# KiCad board ayla80.kicad_pcb
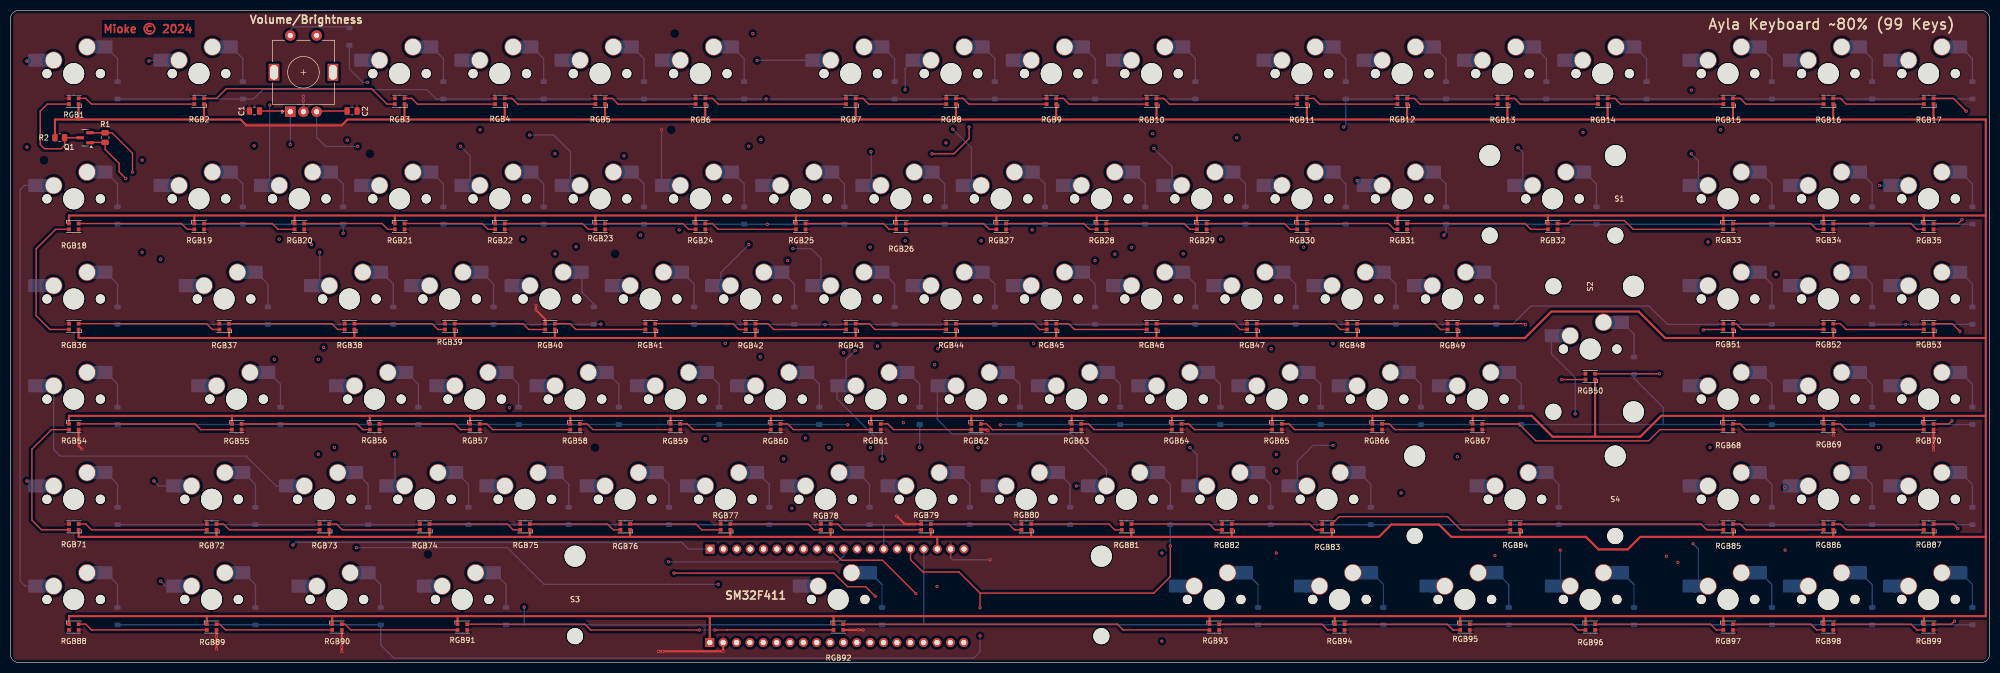
[diagram p0: board, top side]
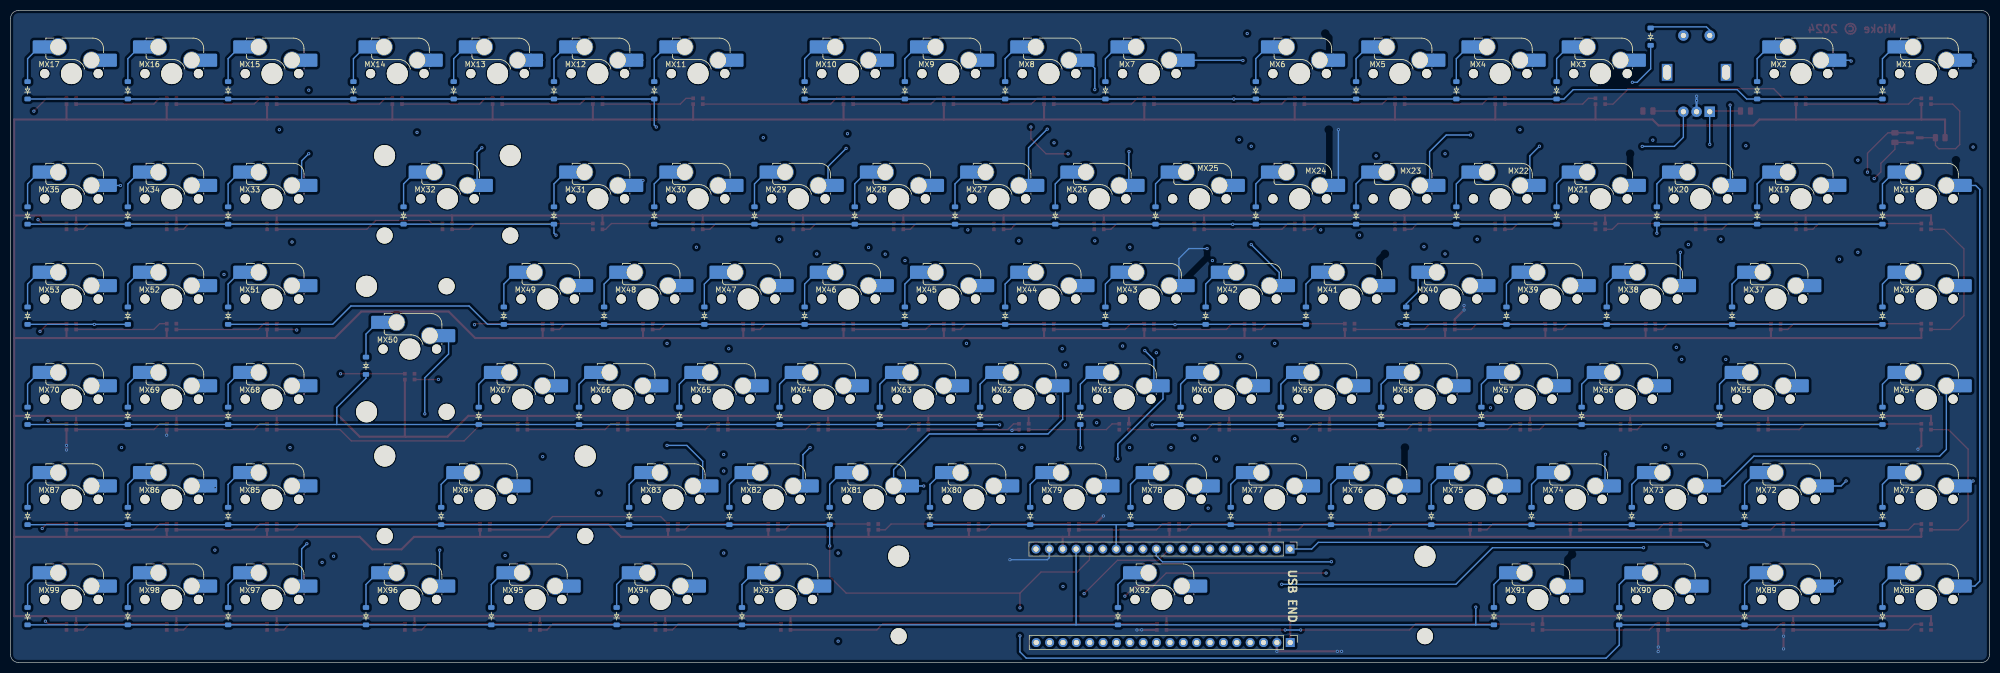
[diagram p1: board, bottom side, seen from below]

Outline 376 x 124 mm; copper layers: Top, In1.Cu, In2.Cu, Bottom. Coordinates in mm from the lower left corner of the outline.
Outline path: 0,122.5 0,1.5 arc(0.44,0.44) 1.5,0 374.5,0 arc(375.56,0.44) 376,1.5 376,122.5 arc(375.56,123.56) 374.5,124 1.5,124 arc(0.44,123.56) 0,122.5
Stack: Top 0.035mm / dielectric 0.1mm FR4 er 4.5 / In1.Cu 0.035mm / dielectric 1.24mm FR4 er 4.5 / In2.Cu 0.035mm / dielectric 0.1mm FR4 er 4.5 / Bottom 0.035mm

## Placement (name value [footprint] x y rotation side)
C1  10n  [C_0805_2012Metric]  46.36 104.89 180 top
C2  10n  [C_0805_2012Metric]  64.9 104.89 0 top
D1  4148  [Diode_SOD-123]  20.33 108.83 90 bottom
D2  4148  [Diode_SOD-123]  44.15 108.83 90 bottom
D3  4148  [Diode_SOD-123]  82.25 108.83 90 bottom
D4  4148  [Diode_SOD-123]  101.3 108.83 90 bottom
D5  4148  [Diode_SOD-123]  120.35 108.83 90 bottom
D6  4148  [Diode_SOD-123]  139.4 108.83 90 bottom
D7  4148  [Diode_SOD-123]  167.97 108.83 90 bottom
D8  4148  [Diode_SOD-123]  187.02 108.83 90 bottom
D9  4148  [Diode_SOD-123]  206.07 108.83 90 bottom
D10  4148  [Diode_SOD-123]  225.12 108.83 90 bottom
D11  4148  [Diode_SOD-123]  253.7 108.83 90 bottom
D12  4148  [Diode_SOD-123]  272.75 108.83 90 bottom
D13  4148  [Diode_SOD-123]  291.8 108.83 90 bottom
D14  4148  [Diode_SOD-123]  310.85 108.83 90 bottom
D15  4148  [Diode_SOD-123]  334.66 108.83 90 bottom
D16  4148  [Diode_SOD-123]  353.71 108.83 90 bottom
D17  4148  [Diode_SOD-123]  372.76 108.83 90 bottom
D18  4148  [Diode_SOD-123]  20.33 85.01 90 bottom
D19  4148  [Diode_SOD-123]  44.15 85.01 90 bottom
D20  4148  [Diode_SOD-123]  63.2 85.01 90 bottom
D21  4148  [Diode_SOD-123]  82.25 85.01 90 bottom
D22  4148  [Diode_SOD-123]  101.3 85.01 90 bottom
D23  4148  [Diode_SOD-123]  120.35 85.01 90 bottom
D24  4148  [Diode_SOD-123]  139.4 85.01 90 bottom
D25  4148  [Diode_SOD-123]  158.45 85.01 90 bottom
D26  4148  [Diode_SOD-123]  177.5 85.01 90 bottom
D27  4148  [Diode_SOD-123]  196.55 85.01 90 bottom
D28  4148  [Diode_SOD-123]  215.6 85.01 90 bottom
D29  4148  [Diode_SOD-123]  234.65 85.01 90 bottom
D30  4148  [Diode_SOD-123]  253.7 85.01 90 bottom
D31  4148  [Diode_SOD-123]  272.75 85.01 90 bottom
D32  4148  [Diode_SOD-123]  301.32 85.01 90 bottom
D33  4148  [Diode_SOD-123]  334.66 85.01 90 bottom
D34  4148  [Diode_SOD-123]  353.71 85.01 90 bottom
D35  4148  [Diode_SOD-123]  372.76 85.01 90 bottom
D36  4148  [Diode_SOD-123]  20.33 65.96 90 bottom
D37  4148  [Diode_SOD-123]  48.91 65.96 90 bottom
D38  4148  [Diode_SOD-123]  72.72 65.96 90 bottom
D39  4148  [Diode_SOD-123]  91.77 65.96 90 bottom
D40  4148  [Diode_SOD-123]  110.82 65.96 90 bottom
D41  4148  [Diode_SOD-123]  129.87 65.96 90 bottom
D42  4148  [Diode_SOD-123]  148.92 65.96 90 bottom
D43  4148  [Diode_SOD-123]  167.97 65.96 90 bottom
D44  4148  [Diode_SOD-123]  187.02 65.96 90 bottom
D45  4148  [Diode_SOD-123]  206.07 65.96 90 bottom
D46  4148  [Diode_SOD-123]  225.12 65.96 90 bottom
D47  4148  [Diode_SOD-123]  244.17 65.96 90 bottom
D48  4148  [Diode_SOD-123]  263.22 65.96 90 bottom
D49  4148  [Diode_SOD-123]  282.27 65.96 90 bottom
D50  4148  [Diode_SOD-123]  308.47 56.44 90 bottom
D51  4148  [Diode_SOD-123]  334.66 65.96 90 bottom
D52  4148  [Diode_SOD-123]  353.71 65.96 90 bottom
D53  4148  [Diode_SOD-123]  372.76 65.96 90 bottom
D54  4148  [Diode_SOD-123]  20.33 46.91 90 bottom
D55  4148  [Diode_SOD-123]  51.29 46.91 90 bottom
D56  4148  [Diode_SOD-123]  77.48 46.91 90 bottom
D57  4148  [Diode_SOD-123]  96.53 46.91 90 bottom
D58  4148  [Diode_SOD-123]  115.58 46.91 90 bottom
D59  4148  [Diode_SOD-123]  134.63 46.91 90 bottom
D60  4148  [Diode_SOD-123]  153.68 46.91 90 bottom
D61  4148  [Diode_SOD-123]  172.73 46.91 90 bottom
D62  4148  [Diode_SOD-123]  191.78 46.91 90 bottom
D63  4148  [Diode_SOD-123]  210.83 46.91 90 bottom
D64  4148  [Diode_SOD-123]  229.88 46.91 90 bottom
D65  4148  [Diode_SOD-123]  248.93 46.91 90 bottom
D66  4148  [Diode_SOD-123]  267.98 46.91 90 bottom
D67  4148  [Diode_SOD-123]  287.03 46.91 90 bottom
D68  4148  [Diode_SOD-123]  334.66 46.91 90 bottom
D69  4148  [Diode_SOD-123]  353.71 46.91 90 bottom
D70  4148  [Diode_SOD-123]  372.76 46.91 90 bottom
D71  4148  [Diode_SOD-123]  20.33 27.86 90 bottom
D72  4148  [Diode_SOD-123]  46.53 27.86 90 bottom
D73  4148  [Diode_SOD-123]  67.96 27.86 90 bottom
D74  4148  [Diode_SOD-123]  87.01 27.86 90 bottom
D75  4148  [Diode_SOD-123]  106.06 27.86 90 bottom
D76  4148  [Diode_SOD-123]  125.11 27.86 90 bottom
D77  4148  [Diode_SOD-123]  144.16 27.86 90 bottom
D78  4148  [Diode_SOD-123]  163.21 27.86 90 bottom
D79  4148  [Diode_SOD-123]  182.26 27.86 90 bottom
D80  4148  [Diode_SOD-123]  201.31 27.86 90 bottom
D81  4148  [Diode_SOD-123]  220.36 27.86 90 bottom
D82  4148  [Diode_SOD-123]  239.41 27.86 90 bottom
D83  4148  [Diode_SOD-123]  258.46 27.86 90 bottom
D84  4148  [Diode_SOD-123]  294.18 27.86 90 bottom
D85  4148  [Diode_SOD-123]  334.66 27.86 90 bottom
D86  4148  [Diode_SOD-123]  353.71 27.86 90 bottom
D87  4148  [Diode_SOD-123]  372.76 27.86 90 bottom
D88  4148  [Diode_SOD-123]  20.33 8.81 90 bottom
D89  4148  [Diode_SOD-123]  46.53 8.81 90 bottom
D90  4148  [Diode_SOD-123]  70.34 8.81 90 bottom
D91  4148  [Diode_SOD-123]  94.15 8.81 90 bottom
D92  4148  [Diode_SOD-123]  165.59 8.81 90 bottom
D93  4148  [Diode_SOD-123]  237.03 8.81 90 bottom
D94  4148  [Diode_SOD-123]  260.84 8.81 90 bottom
D95  4148  [Diode_SOD-123]  284.65 8.81 90 bottom
D96  4148  [Diode_SOD-123]  308.47 8.81 90 bottom
D97  4148  [Diode_SOD-123]  334.66 8.81 90 bottom
D98  4148  [Diode_SOD-123]  353.71 8.81 90 bottom
D99  4148  [Diode_SOD-123]  372.76 8.81 90 bottom
D100  4148  [Diode_SOD-123]  64.37 119.04 90 bottom
J1  Conn_01x20  [PinHeader_1x20_P2.54mm_Vertical]  132.9 21.58 270 bottom
J2  Conn_01x20  [PinHeader_1x20_P2.54mm_Vertical]  132.85 3.8 270 bottom
MX1  MX_SW_HS  [SW_MX_HS_CPG151101S11_1u]  12 112 180 bottom
MX2  MX_SW_HS  [SW_MX_HS_CPG151101S11_1u]  35.81 112 180 bottom
MX3  MX_SW_HS  [SW_MX_HS_CPG151101S11_1u]  73.91 112 180 bottom
MX4  MX_SW_HS  [SW_MX_HS_CPG151101S11_1u]  92.96 112 180 bottom
MX5  MX_SW_HS  [SW_MX_HS_CPG151101S11_1u]  112.01 112 180 bottom
MX6  MX_SW_HS  [SW_MX_HS_CPG151101S11_1u]  131.06 112 180 bottom
MX7  MX_SW_HS  [SW_MX_HS_CPG151101S11_1u]  159.64 112 180 bottom
MX8  MX_SW_HS  [SW_MX_HS_CPG151101S11_1u]  178.69 112 180 bottom
MX9  MX_SW_HS  [SW_MX_HS_CPG151101S11_1u]  197.74 112 180 bottom
MX10  MX_SW_HS  [SW_MX_HS_CPG151101S11_1u]  216.79 112 180 bottom
MX11  MX_SW_HS  [SW_MX_HS_CPG151101S11_1u]  245.36 112 180 bottom
MX12  MX_SW_HS  [SW_MX_HS_CPG151101S11_1u]  264.41 112 180 bottom
MX13  MX_SW_HS  [SW_MX_HS_CPG151101S11_1u]  283.46 112 180 bottom
MX14  MX_SW_HS  [SW_MX_HS_CPG151101S11_1u]  302.51 112 180 bottom
MX15  MX_SW_HS  [SW_MX_HS_CPG151101S11_1u]  326.32 112 180 bottom
MX16  MX_SW_HS  [SW_MX_HS_CPG151101S11_1u]  345.38 112 180 bottom
MX17  MX_SW_HS  [SW_MX_HS_CPG151101S11_1u]  364.43 112 180 bottom
MX18  MX_SW_HS  [SW_MX_HS_CPG151101S11_1u]  12 88.19 180 bottom
MX19  MX_SW_HS  [SW_MX_HS_CPG151101S11_1u]  35.81 88.19 180 bottom
MX20  MX_SW_HS  [SW_MX_HS_CPG151101S11_1u]  54.86 88.19 180 bottom
MX21  MX_SW_HS  [SW_MX_HS_CPG151101S11_1u]  73.91 88.19 180 bottom
MX22  MX_SW_HS  [SW_MX_HS_CPG151101S11_1u]  92.96 88.19 180 bottom
MX23  MX_SW_HS  [SW_MX_HS_CPG151101S11_1u]  112.01 88.19 180 bottom
MX24  MX_SW_HS  [SW_MX_HS_CPG151101S11_1u]  131.06 88.19 180 bottom
MX25  MX_SW_HS  [SW_MX_HS_CPG151101S11_1u]  150.11 88.19 180 bottom
MX26  MX_SW_HS  [SW_MX_HS_CPG151101S11_1u]  169.16 88.19 180 bottom
MX27  MX_SW_HS  [SW_MX_HS_CPG151101S11_1u]  188.21 88.19 180 bottom
MX28  MX_SW_HS  [SW_MX_HS_CPG151101S11_1u]  207.26 88.19 180 bottom
MX29  MX_SW_HS  [SW_MX_HS_CPG151101S11_1u]  226.31 88.19 180 bottom
MX30  MX_SW_HS  [SW_MX_HS_CPG151101S11_1u]  245.36 88.19 180 bottom
MX31  MX_SW_HS  [SW_MX_HS_CPG151101S11_1u]  264.41 88.19 180 bottom
MX32  MX_SW_HS  [SW_MX_HS_CPG151101S11_1u]  292.99 88.19 180 bottom
MX33  MX_SW_HS  [SW_MX_HS_CPG151101S11_1u]  326.32 88.19 180 bottom
MX34  MX_SW_HS  [SW_MX_HS_CPG151101S11_1u]  345.38 88.19 180 bottom
MX35  MX_SW_HS  [SW_MX_HS_CPG151101S11_1u]  364.43 88.19 180 bottom
MX36  MX_SW_HS  [SW_MX_HS_CPG151101S11_1u]  12 69.14 180 bottom
MX37  MX_SW_HS  [SW_MX_HS_CPG151101S11_1u]  40.58 69.14 180 bottom
MX38  MX_SW_HS  [SW_MX_HS_CPG151101S11_1u]  64.39 69.14 180 bottom
MX39  MX_SW_HS  [SW_MX_HS_CPG151101S11_1u]  83.44 69.14 180 bottom
MX40  MX_SW_HS  [SW_MX_HS_CPG151101S11_1u]  102.49 69.14 180 bottom
MX41  MX_SW_HS  [SW_MX_HS_CPG151101S11_1u]  121.54 69.14 180 bottom
MX42  MX_SW_HS  [SW_MX_HS_CPG151101S11_1u]  140.59 69.14 180 bottom
MX43  MX_SW_HS  [SW_MX_HS_CPG151101S11_1u]  159.64 69.14 180 bottom
MX44  MX_SW_HS  [SW_MX_HS_CPG151101S11_1u]  178.69 69.14 180 bottom
MX45  MX_SW_HS  [SW_MX_HS_CPG151101S11_1u]  197.74 69.14 180 bottom
MX46  MX_SW_HS  [SW_MX_HS_CPG151101S11_1u]  216.79 69.14 180 bottom
MX47  MX_SW_HS  [SW_MX_HS_CPG151101S11_1u]  235.84 69.14 180 bottom
MX48  MX_SW_HS  [SW_MX_HS_CPG151101S11_1u]  254.89 69.14 180 bottom
MX49  MX_SW_HS  [SW_MX_HS_CPG151101S11_1u]  273.94 69.14 180 bottom
MX50  MX_SW_HS  [SW_MX_HS_CPG151101S11_1u]  300.13 59.61 180 bottom
MX51  MX_SW_HS  [SW_MX_HS_CPG151101S11_1u]  326.32 69.14 180 bottom
MX52  MX_SW_HS  [SW_MX_HS_CPG151101S11_1u]  345.38 69.14 180 bottom
MX53  MX_SW_HS  [SW_MX_HS_CPG151101S11_1u]  364.43 69.14 180 bottom
MX54  MX_SW_HS  [SW_MX_HS_CPG151101S11_1u]  12 50.09 180 bottom
MX55  MX_SW_HS  [SW_MX_HS_CPG151101S11_1u]  42.96 50.09 180 bottom
MX56  MX_SW_HS  [SW_MX_HS_CPG151101S11_1u]  69.15 50.09 180 bottom
MX57  MX_SW_HS  [SW_MX_HS_CPG151101S11_1u]  88.2 50.09 180 bottom
MX58  MX_SW_HS  [SW_MX_HS_CPG151101S11_1u]  107.25 50.09 180 bottom
MX59  MX_SW_HS  [SW_MX_HS_CPG151101S11_1u]  126.3 50.09 180 bottom
MX60  MX_SW_HS  [SW_MX_HS_CPG151101S11_1u]  145.35 50.09 180 bottom
MX61  MX_SW_HS  [SW_MX_HS_CPG151101S11_1u]  164.4 50.09 180 bottom
MX62  MX_SW_HS  [SW_MX_HS_CPG151101S11_1u]  183.45 50.09 180 bottom
MX63  MX_SW_HS  [SW_MX_HS_CPG151101S11_1u]  202.5 50.09 180 bottom
MX64  MX_SW_HS  [SW_MX_HS_CPG151101S11_1u]  221.55 50.09 180 bottom
MX65  MX_SW_HS  [SW_MX_HS_CPG151101S11_1u]  240.6 50.09 180 bottom
MX66  MX_SW_HS  [SW_MX_HS_CPG151101S11_1u]  259.65 50.09 180 bottom
MX67  MX_SW_HS  [SW_MX_HS_CPG151101S11_1u]  278.7 50.09 180 bottom
MX68  MX_SW_HS  [SW_MX_HS_CPG151101S11_1u]  326.32 50.09 180 bottom
MX69  MX_SW_HS  [SW_MX_HS_CPG151101S11_1u]  345.38 50.09 180 bottom
MX70  MX_SW_HS  [SW_MX_HS_CPG151101S11_1u]  364.43 50.09 180 bottom
MX71  MX_SW_HS  [SW_MX_HS_CPG151101S11_1u]  12 31.04 180 bottom
MX72  MX_SW_HS  [SW_MX_HS_CPG151101S11_1u]  38.19 31.04 180 bottom
MX73  MX_SW_HS  [SW_MX_HS_CPG151101S11_1u]  59.62 31.04 180 bottom
MX74  MX_SW_HS  [SW_MX_HS_CPG151101S11_1u]  78.67 31.04 180 bottom
MX75  MX_SW_HS  [SW_MX_HS_CPG151101S11_1u]  97.72 31.04 180 bottom
MX76  MX_SW_HS  [SW_MX_HS_CPG151101S11_1u]  116.78 31.04 180 bottom
MX77  MX_SW_HS  [SW_MX_HS_CPG151101S11_1u]  135.82 31.04 180 bottom
MX78  MX_SW_HS  [SW_MX_HS_CPG151101S11_1u]  154.88 31.04 180 bottom
MX79  MX_SW_HS  [SW_MX_HS_CPG151101S11_1u]  173.93 31.04 180 bottom
MX80  MX_SW_HS  [SW_MX_HS_CPG151101S11_1u]  192.97 31.04 180 bottom
MX81  MX_SW_HS  [SW_MX_HS_CPG151101S11_1u]  212.03 31.04 180 bottom
MX82  MX_SW_HS  [SW_MX_HS_CPG151101S11_1u]  231.07 31.04 180 bottom
MX83  MX_SW_HS  [SW_MX_HS_CPG151101S11_1u]  250.12 31.04 180 bottom
MX84  MX_SW_HS  [SW_MX_HS_CPG151101S11_1u]  285.84 31.04 180 bottom
MX85  MX_SW_HS  [SW_MX_HS_CPG151101S11_1u]  326.32 31.04 180 bottom
MX86  MX_SW_HS  [SW_MX_HS_CPG151101S11_1u]  345.38 31.04 180 bottom
MX87  MX_SW_HS  [SW_MX_HS_CPG151101S11_1u]  364.43 31.04 180 bottom
MX88  MX_SW_HS  [SW_MX_HS_CPG151101S11_1u]  12 11.99 180 bottom
MX89  MX_SW_HS  [SW_MX_HS_CPG151101S11_1u]  38.19 11.99 180 bottom
MX90  MX_SW_HS  [SW_MX_HS_CPG151101S11_1u]  62.01 11.99 180 bottom
MX91  MX_SW_HS  [SW_MX_HS_CPG151101S11_1u]  85.82 11.99 180 bottom
MX92  MX_SW_HS  [SW_MX_HS_CPG151101S11_1u]  157.26 11.99 180 bottom
MX93  MX_SW_HS  [SW_MX_HS_CPG151101S11_1u]  228.69 11.99 180 bottom
MX94  MX_SW_HS  [SW_MX_HS_CPG151101S11_1u]  252.51 11.99 180 bottom
MX95  MX_SW_HS  [SW_MX_HS_CPG151101S11_1u]  276.32 11.99 180 bottom
MX96  MX_SW_HS  [SW_MX_HS_CPG151101S11_1u]  300.13 11.99 180 bottom
MX97  MX_SW_HS  [SW_MX_HS_CPG151101S11_1u]  326.32 11.99 180 bottom
MX98  MX_SW_HS  [SW_MX_HS_CPG151101S11_1u]  345.38 11.99 180 bottom
MX99  MX_SW_HS  [SW_MX_HS_CPG151101S11_1u]  364.43 11.99 180 bottom
Q1  BSS138  [SOT-23]  14.17 99.8 180 top
R1  10k  [R_0805_2012Metric]  17.97 99.83 90 top
R2  10k  [R_0805_2012Metric]  9.36 99.81 0 top
RGB1  WS2812B  [LED_WS2812B-2020_PLCC4_2.0x2.0mm]  12.02 106.75 180 top
RGB2  WS2812B  [LED_WS2812B-2020_PLCC4_2.0x2.0mm]  35.84 106.75 180 top
RGB3  WS2812B  [LED_WS2812B-2020_PLCC4_2.0x2.0mm]  73.94 106.75 180 top
RGB4  WS2812B  [LED_WS2812B-2020_PLCC4_2.0x2.0mm]  92.99 106.75 180 top
RGB5  WS2812B  [LED_WS2812B-2020_PLCC4_2.0x2.0mm]  112.04 106.75 180 top
RGB6  WS2812B  [LED_WS2812B-2020_PLCC4_2.0x2.0mm]  131.09 106.75 180 top
RGB7  WS2812B  [LED_WS2812B-2020_PLCC4_2.0x2.0mm]  159.66 106.75 180 top
RGB8  WS2812B  [LED_WS2812B-2020_PLCC4_2.0x2.0mm]  178.71 106.75 180 top
RGB9  WS2812B  [LED_WS2812B-2020_PLCC4_2.0x2.0mm]  197.76 106.75 180 top
RGB10  WS2812B  [LED_WS2812B-2020_PLCC4_2.0x2.0mm]  216.81 106.75 180 top
RGB11  WS2812B  [LED_WS2812B-2020_PLCC4_2.0x2.0mm]  245.39 106.75 180 top
RGB12  WS2812B  [LED_WS2812B-2020_PLCC4_2.0x2.0mm]  264.44 106.75 180 top
RGB13  WS2812B  [LED_WS2812B-2020_PLCC4_2.0x2.0mm]  283.49 106.75 180 top
RGB14  WS2812B  [LED_WS2812B-2020_PLCC4_2.0x2.0mm]  302.54 106.75 180 top
RGB15  WS2812B  [LED_WS2812B-2020_PLCC4_2.0x2.0mm]  326.35 106.75 180 top
RGB16  WS2812B  [LED_WS2812B-2020_PLCC4_2.0x2.0mm]  345.4 106.75 180 top
RGB17  WS2812B  [LED_WS2812B-2020_PLCC4_2.0x2.0mm]  364.45 106.75 180 top
RGB18  WS2812B  [LED_WS2812B-2020_PLCC4_2.0x2.0mm]  12.02 82.94 0 top
RGB19  WS2812B  [LED_WS2812B-2020_PLCC4_2.0x2.0mm]  35.84 82.94 0 top
RGB20  WS2812B  [LED_WS2812B-2020_PLCC4_2.0x2.0mm]  54.89 82.94 0 top
RGB21  WS2812B  [LED_WS2812B-2020_PLCC4_2.0x2.0mm]  73.94 82.94 0 top
RGB22  WS2812B  [LED_WS2812B-2020_PLCC4_2.0x2.0mm]  92.99 82.94 0 top
RGB23  WS2812B  [LED_WS2812B-2020_PLCC4_2.0x2.0mm]  112.04 82.94 0 top
RGB24  WS2812B  [LED_WS2812B-2020_PLCC4_2.0x2.0mm]  131.09 82.94 0 top
RGB25  WS2812B  [LED_WS2812B-2020_PLCC4_2.0x2.0mm]  150.14 82.94 0 top
RGB26  WS2812B  [LED_WS2812B-2020_PLCC4_2.0x2.0mm]  169.19 82.94 0 top
RGB27  WS2812B  [LED_WS2812B-2020_PLCC4_2.0x2.0mm]  188.24 82.94 0 top
RGB28  WS2812B  [LED_WS2812B-2020_PLCC4_2.0x2.0mm]  207.29 82.94 0 top
RGB29  WS2812B  [LED_WS2812B-2020_PLCC4_2.0x2.0mm]  226.34 82.94 0 top
RGB30  WS2812B  [LED_WS2812B-2020_PLCC4_2.0x2.0mm]  245.39 82.94 0 top
RGB31  WS2812B  [LED_WS2812B-2020_PLCC4_2.0x2.0mm]  264.44 82.94 0 top
RGB32  WS2812B  [LED_WS2812B-2020_PLCC4_2.0x2.0mm]  293.01 82.94 0 top
RGB33  WS2812B  [LED_WS2812B-2020_PLCC4_2.0x2.0mm]  326.35 82.94 0 top
RGB34  WS2812B  [LED_WS2812B-2020_PLCC4_2.0x2.0mm]  345.4 82.94 0 top
RGB35  WS2812B  [LED_WS2812B-2020_PLCC4_2.0x2.0mm]  364.45 82.94 0 top
RGB36  WS2812B  [LED_WS2812B-2020_PLCC4_2.0x2.0mm]  12.02 63.89 180 top
RGB37  WS2812B  [LED_WS2812B-2020_PLCC4_2.0x2.0mm]  40.6 63.89 180 top
RGB38  WS2812B  [LED_WS2812B-2020_PLCC4_2.0x2.0mm]  64.41 63.89 180 top
RGB39  WS2812B  [LED_WS2812B-2020_PLCC4_2.0x2.0mm]  83.46 63.89 180 top
RGB40  WS2812B  [LED_WS2812B-2020_PLCC4_2.0x2.0mm]  102.51 63.89 180 top
RGB41  WS2812B  [LED_WS2812B-2020_PLCC4_2.0x2.0mm]  121.56 63.89 180 top
RGB42  WS2812B  [LED_WS2812B-2020_PLCC4_2.0x2.0mm]  140.61 63.89 180 top
RGB43  WS2812B  [LED_WS2812B-2020_PLCC4_2.0x2.0mm]  159.66 63.89 180 top
RGB44  WS2812B  [LED_WS2812B-2020_PLCC4_2.0x2.0mm]  178.71 63.89 180 top
RGB45  WS2812B  [LED_WS2812B-2020_PLCC4_2.0x2.0mm]  197.76 63.89 180 top
RGB46  WS2812B  [LED_WS2812B-2020_PLCC4_2.0x2.0mm]  216.81 63.89 180 top
RGB47  WS2812B  [LED_WS2812B-2020_PLCC4_2.0x2.0mm]  235.86 63.89 180 top
RGB48  WS2812B  [LED_WS2812B-2020_PLCC4_2.0x2.0mm]  254.91 63.89 180 top
RGB49  WS2812B  [LED_WS2812B-2020_PLCC4_2.0x2.0mm]  273.96 63.89 180 top
RGB50  WS2812B  [LED_WS2812B-2020_PLCC4_2.0x2.0mm]  300.16 54.36 180 top
RGB51  WS2812B  [LED_WS2812B-2020_PLCC4_2.0x2.0mm]  326.35 63.89 180 top
RGB52  WS2812B  [LED_WS2812B-2020_PLCC4_2.0x2.0mm]  345.4 63.89 180 top
RGB53  WS2812B  [LED_WS2812B-2020_PLCC4_2.0x2.0mm]  364.45 63.89 180 top
RGB54  WS2812B  [LED_WS2812B-2020_PLCC4_2.0x2.0mm]  12.02 44.84 0 top
RGB55  WS2812B  [LED_WS2812B-2020_PLCC4_2.0x2.0mm]  42.98 44.84 0 top
RGB56  WS2812B  [LED_WS2812B-2020_PLCC4_2.0x2.0mm]  69.17 44.84 0 top
RGB57  WS2812B  [LED_WS2812B-2020_PLCC4_2.0x2.0mm]  88.22 44.84 0 top
RGB58  WS2812B  [LED_WS2812B-2020_PLCC4_2.0x2.0mm]  107.28 44.84 0 top
RGB59  WS2812B  [LED_WS2812B-2020_PLCC4_2.0x2.0mm]  126.32 44.84 0 top
RGB60  WS2812B  [LED_WS2812B-2020_PLCC4_2.0x2.0mm]  145.38 44.84 0 top
RGB61  WS2812B  [LED_WS2812B-2020_PLCC4_2.0x2.0mm]  164.43 44.84 0 top
RGB62  WS2812B  [LED_WS2812B-2020_PLCC4_2.0x2.0mm]  183.47 44.84 0 top
RGB63  WS2812B  [LED_WS2812B-2020_PLCC4_2.0x2.0mm]  202.53 44.84 0 top
RGB64  WS2812B  [LED_WS2812B-2020_PLCC4_2.0x2.0mm]  221.57 44.84 0 top
RGB65  WS2812B  [LED_WS2812B-2020_PLCC4_2.0x2.0mm]  240.62 44.84 0 top
RGB66  WS2812B  [LED_WS2812B-2020_PLCC4_2.0x2.0mm]  259.68 44.84 0 top
RGB67  WS2812B  [LED_WS2812B-2020_PLCC4_2.0x2.0mm]  278.73 44.84 0 top
RGB68  WS2812B  [LED_WS2812B-2020_PLCC4_2.0x2.0mm]  326.35 44.84 0 top
RGB69  WS2812B  [LED_WS2812B-2020_PLCC4_2.0x2.0mm]  345.4 44.84 0 top
RGB70  WS2812B  [LED_WS2812B-2020_PLCC4_2.0x2.0mm]  364.45 44.84 0 top
RGB71  WS2812B  [LED_WS2812B-2020_PLCC4_2.0x2.0mm]  12.02 25.79 180 top
RGB72  WS2812B  [LED_WS2812B-2020_PLCC4_2.0x2.0mm]  38.22 25.79 180 top
RGB73  WS2812B  [LED_WS2812B-2020_PLCC4_2.0x2.0mm]  59.65 25.79 180 top
RGB74  WS2812B  [LED_WS2812B-2020_PLCC4_2.0x2.0mm]  78.7 25.79 180 top
RGB75  WS2812B  [LED_WS2812B-2020_PLCC4_2.0x2.0mm]  97.75 25.79 180 top
RGB76  WS2812B  [LED_WS2812B-2020_PLCC4_2.0x2.0mm]  116.8 25.79 180 top
RGB77  WS2812B  [LED_WS2812B-2020_PLCC4_2.0x2.0mm]  135.85 25.79 180 top
RGB78  WS2812B  [LED_WS2812B-2020_PLCC4_2.0x2.0mm]  154.9 25.79 180 top
RGB79  WS2812B  [LED_WS2812B-2020_PLCC4_2.0x2.0mm]  173.95 25.79 180 top
RGB80  WS2812B  [LED_WS2812B-2020_PLCC4_2.0x2.0mm]  193 25.79 180 top
RGB81  WS2812B  [LED_WS2812B-2020_PLCC4_2.0x2.0mm]  212.05 25.79 180 top
RGB82  WS2812B  [LED_WS2812B-2020_PLCC4_2.0x2.0mm]  231.1 25.79 180 top
RGB83  WS2812B  [LED_WS2812B-2020_PLCC4_2.0x2.0mm]  250.15 25.79 180 top
RGB84  WS2812B  [LED_WS2812B-2020_PLCC4_2.0x2.0mm]  285.87 25.79 180 top
RGB85  WS2812B  [LED_WS2812B-2020_PLCC4_2.0x2.0mm]  326.35 25.79 180 top
RGB86  WS2812B  [LED_WS2812B-2020_PLCC4_2.0x2.0mm]  345.4 25.79 180 top
RGB87  WS2812B  [LED_WS2812B-2020_PLCC4_2.0x2.0mm]  364.45 25.79 180 top
RGB88  WS2812B  [LED_WS2812B-2020_PLCC4_2.0x2.0mm]  12.02 6.74 0 top
RGB89  WS2812B  [LED_WS2812B-2020_PLCC4_2.0x2.0mm]  38.22 6.74 0 top
RGB90  WS2812B  [LED_WS2812B-2020_PLCC4_2.0x2.0mm]  62.03 6.74 0 top
RGB91  WS2812B  [LED_WS2812B-2020_PLCC4_2.0x2.0mm]  85.84 6.74 0 top
RGB92  WS2812B  [LED_WS2812B-2020_PLCC4_2.0x2.0mm]  157.28 6.74 0 top
RGB93  WS2812B  [LED_WS2812B-2020_PLCC4_2.0x2.0mm]  228.72 6.74 0 top
RGB94  WS2812B  [LED_WS2812B-2020_PLCC4_2.0x2.0mm]  252.53 6.74 0 top
RGB95  WS2812B  [LED_WS2812B-2020_PLCC4_2.0x2.0mm]  276.34 6.74 0 top
RGB96  WS2812B  [LED_WS2812B-2020_PLCC4_2.0x2.0mm]  300.16 6.74 0 top
RGB97  WS2812B  [LED_WS2812B-2020_PLCC4_2.0x2.0mm]  326.35 6.74 0 top
RGB98  WS2812B  [LED_WS2812B-2020_PLCC4_2.0x2.0mm]  345.4 6.74 0 top
RGB99  WS2812B  [LED_WS2812B-2020_PLCC4_2.0x2.0mm]  364.45 6.74 0 top
S1  MX_stab  [Stabilizer_MX_2.00u]  292.99 88.19 180 top
S2  MX_stab  [Stabilizer_MX_2.00u]  300.13 59.61 90 top
S3  MX_stab  [Stabilizer_MX_6.25u]  157.26 11.99 180 top
S4  MX_stab  [Stabilizer_MX_3.00u]  285.84 31.04 180 top
SW1  Encoder  [RotaryEncoder_Alps_EC11E-Switch_Vertical_H20mm]  53.16 104.75 90 top

## Library data of the parts
C1 C2 = -: Description: Unpolarized capacitor, small symbol; ki_fp_filters: C_*
D1-D100 = -: Description: Diode, small symbol; Sim.Device: D; Sim.Pins: 1=K 2=A; ki_fp_filters: TO-???* *_Diode_* *SingleDiode* D_*
J1 J2 = -: ki_fp_filters: Connector*:*_1x??_*
MX1-MX87 MX89-MX99 = -: Description: Push button switch, normally open, two pins, 45° tilted, Kailh CPG151101S11 for Cherry MX style switches
MX88 = -: Description: Push button switch, normally open, two pins, 45° tilted, Gateron KS-2P02B01-01 for Cherry MX style switches
Q1 = -: Datasheet: https://www.onsemi.com/pub/Collateral/BSS138-D.PDF; Description: 50V Vds, 0.22A Id, N-Channel MOSFET, SOT-23; ki_fp_filters: SOT?23*
R1 R2 = -: Description: Resistor, small symbol; ki_fp_filters: R_*
RGB1-RGB99 = -: Datasheet: https://cdn-shop.adafruit.com/datasheets/WS2812B.pdf; Description: RGB LED with integrated controller; ki_fp_filters: LED*WS2812*PLCC*5.0x5.0mm*P3.2mm*
S1-S4 = -: Description: Cherry MX-style stabilizer
SW1 = -: Description: Rotary encoder, dual channel, incremental quadrate outputs, with switch; ki_fp_filters: RotaryEncoder*Switch*
